# Altium PCB Gould.PcbDoc (part 2 of 2)
Units mm, origin at the board's own origin, x right, y up, seen from the top; angles counter-clockwise.
Board outline 85.5 x 34 mm, 6 copper layers (Top Layer, Plane 1, Plane 2, Plane 3, Plane 4, Bottom Layer), stack 1.545 mm thick; 155 components, 83 nets, 531 pads, 234 vias.
Unrouted connection lines stored in the file: 4.
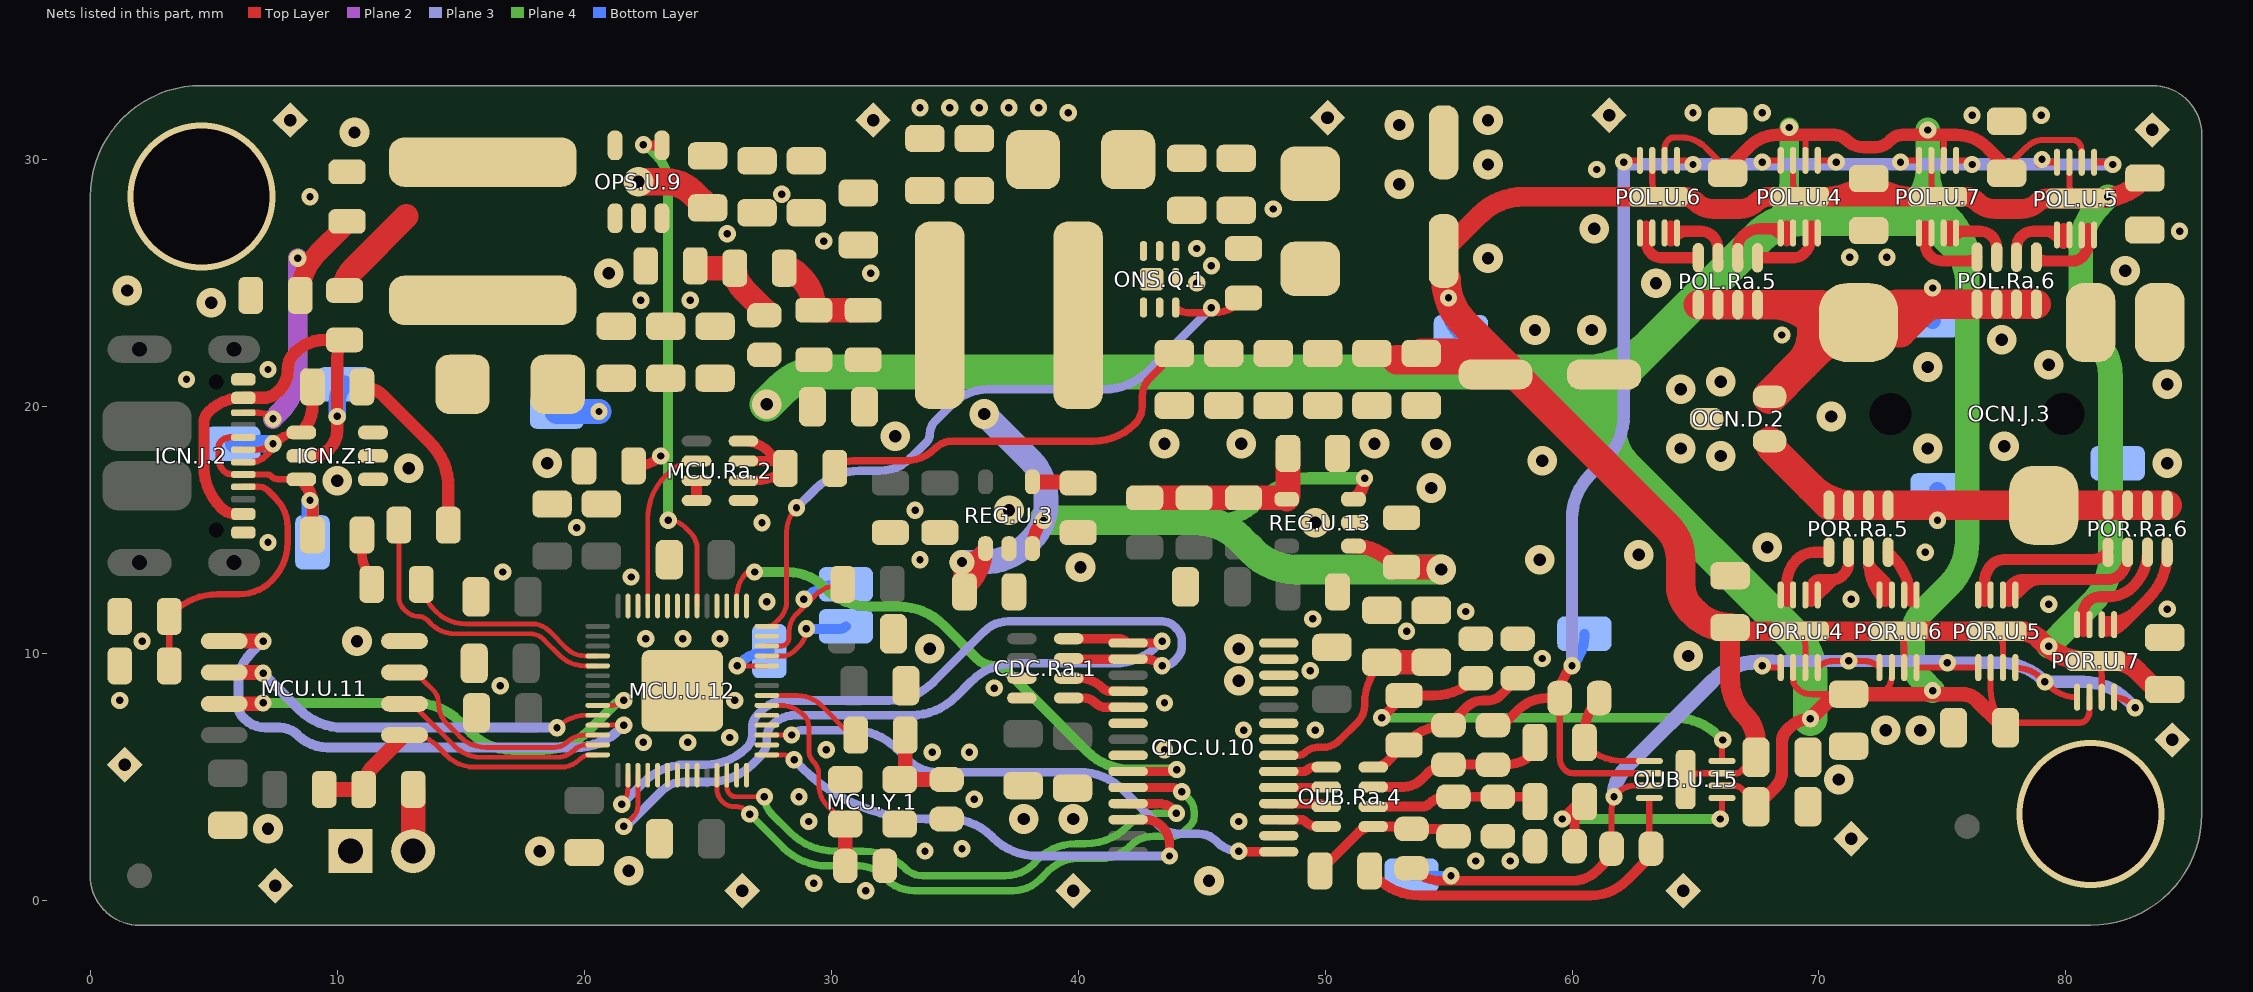
[diagram p6: the nets of this part, all layers, seen from the top]

## Via types
v1: diameter 0.7, hole 0.3, Top Layer to Bottom Layer, tented both sides, 158 vias
v2: diameter 1.2, hole 0.5, Top Layer to Bottom Layer, tented both sides, 61 vias
v3: diameter 1.016, hole 0.508, Top Layer to Bottom Layer, tented both sides, 12 vias
v4: diameter 6, hole 5.5, Top Layer to Bottom Layer, 2 vias
v5: diameter 1, hole 0.4, Top Layer to Bottom Layer, tented both sides, 1 vias

## Nets (pads, with @x,y where several pads share a name; then routed paths per layer and width w, separated by ;. In a path a pad name is that pad's centre, name@x,y a point inside that pad or via, vN(x,y) a via of type N, cw(c..) or ccw(c..) an arc to the next point about the centre after c; other vN are vias at no path point) (continued)
9V: OPS.C.20.2 OPS.C.21.2 OPS.C.22.2 OPS.C.23.2 OPS.C.24.2 OPS.D.5.1 OPS.R.5.2 OPS.R.6.2 OPS.TP.17.1 OUB.C.60.2 OUB.U.15.2 POL.C.26.2 POL.C.27.2 POL.U.4.2 POL.U.5.2 POL.U.6.2 POL.U.7.2 POR.C.26.2 POR.C.27.2 POR.U.4.2 POR.U.5.2 POR.U.6.2 POR.U.7.2 | length 166.5
  Top Layer w0.25: POL.U.6.2@63.75,29.97 63.75,30.438 cw(c64.262,30.438) 63.9,30.8 cw(c64.141,30.559) 64.141,30.9 64.4,30.9 cw(c64.4,29.451) 65.424,30.476 ; 65.424,30.476 66.122,29.778 cw(c65.691,29.348) 66.3,29.348 cw(c67.151,29.348) 66.549,29.949 66.856,30.256 cw(c68.652,28.46) 67.179,30.529 ; OUB.U.15.2@66.07,4.65 66.538,4.65 cw(c66.538,4.138) 66.9,4.5 67.34,4.06 cw(c67.08,3.8) OUB.C.60.2@67.448,3.8 ; POR.U.4.2@68.95,9.43 68.95,8.962 ccw(c69.462,8.962) 69.1,8.6 ccw(c69.698,9.198) 69.698,8.352 POR.C.26.2@71.2,8.352 ; POL.U.4.2@69.45,29.97 69.45,30.961 cw(c69.506,30.961) 69.466,31 ; 72.344,8.352 ccw(c72.344,8.856) 72.7,8.5 ccw(c72.096,9.104) 72.95,9.104 POR.U.6.2@72.95,9.43 ; POL.U.7.2@75.05,29.97 75.05,30.879 cw(c75.221,30.879) 75.1,31 ; POR.U.5.2@76.95,9.43 76.95,8.554 ccw(c79.007,8.554) 77.552,7.1 cw(c77.794,6.859) 77.794,7.2 80.559,7.2 ccw(c80.559,7.541) 80.8,7.3 ccw(c80.438,7.662) 80.95,7.662 POR.U.7.2@80.95,8.23 ; POL.C.27.2@77.708,29.608 ccw(c77.968,29.348) 77.6,29.348 cw(c78.451,29.348) 77.849,29.949 78.4,30.5 cw(c79.124,29.776) 79.124,30.8 80.259,30.8 cw(c80.259,30.459) 80.5,30.7 cw(c80.168,30.368) 80.638,30.368 POL.U.5.2@80.638,29.892
  Top Layer w0.4: 72.812,30.712 72.9,30.8
  Top Layer w0.5: POL.C.26.2@66.3,29.348 cw(c67.03,29.348) 66.514,29.864 67.179,30.529 cw(c68.316,29.393) 68.316,31 69.466,31 70.617,31 cw(c70.617,30.317) 71.1,30.8 ccw(c71.824,31.524) 71.824,30.5 72.3,30.5 ccw(c72.3,31.224) 72.812,30.712 ; OUB.C.60.2@67.448,3.8 68.254,4.607 ccw(c67.661,5.2) 68.5,5.2 68.5,6.417 cw(c69.183,6.417) 68.7,6.9 68.801,7.001 ; 68.801,7.001 cw(c69.655,6.147) v1(69.655,7.355) ; 72.9,30.8 cw(c73.383,30.317) 73.383,31 75.1,31 75.559,31 cw(c75.559,29.21) 76.824,30.476 77.351,29.949 cw(c76.749,29.348) POL.C.27.2@77.6,29.348
  Top Layer w0.6: v1(69.655,7.355) 70.265,7.965 cw(c71.2,7.03) POR.C.26.2@71.2,8.352 72.344,8.352 75.791,8.352 cw(c75.791,7.491) 76.4,8.1 77.292,7.208 ccw(c77.552,7.468) POR.C.27.2@77.552,7.1
  Plane 4 w0.8: 67.556,26.856 68.056,27.356 ccw(c66.26,29.152) 68.8,29.152 v1(68.8,31.3)
  Plane 4 w1: 73.2,27.6 73.868,28.268 ccw(c72.584,29.552) 74.4,29.552 ; 74.259,27.6 75.464,26.395 cw(c74.169,25.1) 76,25.1 ; v1(74.4,31.2) 74.4,29.552 ; v1(74.6,8.5) 74.154,8.946 cw(c75.007,9.8) 73.8,9.8 73.8,10.734 cw(c75.166,10.734) 74.2,11.7 75.256,12.756 ccw(c73.46,14.552) 76,14.552 76,25.1 ; 74.4,29.552 ccw(c76.94,29.552) 75.144,27.756 75.256,27.644 cw(c73.46,25.848) 76,25.848 76,25.1
  Plane 4 w1.4: v2(27.4,20.1) 27.956,20.656 cw(c29.752,18.86) 29.752,21.4 57.248,21.4 ; v1(69.655,7.355) 69.655,8.993 ccw(c67.115,8.993) 68.911,10.789 62.15,17.55 ; 74.5,27.7 cw(c74.259,27.941) 74.259,27.6 73.2,27.6 69.352,27.6 ccw(c69.352,25.06) 67.556,26.856 63.234,22.534 ; 57.248,21.4 cw(c57.248,18.86) 59.044,20.656 61.244,18.456 ; 57.248,21.4 60.5,21.4 ; 60.5,21.4 ccw(c60.5,25.263) 63.229,22.529 ; 60.5,21.4 60.5,20.252 ccw(c63.04,20.252) 61.244,18.456 ; 61.244,18.456 62.15,17.55 ; 62.15,17.55 cw(c63.719,19.119) 61.5,19.119 61.5,20.1 cw(c63.19,20.1) 61.995,21.295 63.229,22.529 ; 63.229,22.529 ccw(c60.5,25.263) 63.234,22.534 ; 63.229,22.529 63.234,22.534
  Bottom Layer w1: OPS.TP.17.1@18.9,19.8 v1(20.6,19.8)
-9V: MCU.R.27.1 ONS.C.10.2 ONS.C.12.1 ONS.C.16.1 ONS.C.17.1 ONS.C.18.1 ONS.C.62.1 ONS.C.63.1 ONS.C.64.2 ONS.D.3.2 ONS.TP.16.1 OUB.C.61.1 OUB.U.15.3 POL.C.30.1 POL.C.31.1 POL.U.4.3 POL.U.5.3 POL.U.6.3 POL.U.7.3 POR.C.30.1 POR.C.31.1 POR.U.4.3 POR.U.5.3 POR.U.6.3 POR.U.7.3 | length 137.7
  Top Layer w0.25: POL.U.6.3@63.25,29.97 63.25,29.104 ccw(c64.104,29.104) POL.U.6.3@63.5,28.5 ; OUB.U.15.3@64.6,4.9 cw(c65.204,4.296) 65.204,5.15 OUB.U.15.3@66.07,5.15 66.679,5.15 ccw(c66.679,5.321) 66.8,5.2 67.366,5.766 cw(c67.448,5.685) OUB.C.61.1@67.448,5.8 ; POL.U.4.3@68.95,29.97 68.95,29.104 ccw(c69.804,29.104) POL.U.4.3@69.2,28.5 ; POR.U.4.3@69.2,10.9 cw(c68.596,10.296) 69.45,10.296 POR.U.4.3@69.45,9.43 ; POR.U.6.3@73.2,10.9 cw(c72.596,10.296) 73.45,10.296 POR.U.6.3@73.45,9.43 ; POL.U.7.3@74.55,29.97 74.55,29.104 ccw(c75.404,29.104) POL.U.7.3@74.8,28.5 ; POR.U.5.3@77.2,10.9 cw(c76.596,10.296) 77.45,10.296 POR.U.5.3@77.45,9.43 ; POL.U.5.3@80.138,29.892 80.138,29.026 ccw(c80.991,29.026) POL.U.5.3@80.387,28.422 ; POR.U.7.3@81.2,9.7 cw(c80.596,9.096) 81.45,9.096 POR.U.7.3@81.45,8.23
  Top Layer w0.3: MCU.R.27.1@30.152,17.5 cw(c30.877,16.776) 30.877,17.8 32.993,17.8 ccw(c32.993,19.507) 34.2,18.3 cw(c34.924,17.576) 34.924,18.6 40.61,18.6 ccw(c40.61,20.99) 42.3,19.3 ccw(c41.576,20.024) 42.6,20.024 42.6,20.4 cw(c43.692,20.4) 42.92,21.172 ONS.C.62.1@43.9,22.152
  Top Layer w0.8: ONS.C.64.2@54.8,26.3 56.256,27.756 cw(c58.052,25.96) 58.052,28.5 POL.U.6.3@63.5,28.5 64.517,28.5 cw(c64.517,27.817) 65,28.3 ccw(c65.724,29.024) 65.724,28 66.776,28 ccw(c66.776,29.024) 67.5,28.3 cw(c67.983,27.817) 67.983,28.5 POL.U.4.3@69.2,28.5 POL.U.4.3@70.249,28.5 ; OUB.C.61.1@67.448,5.8 67.448,6.419 ccw(c65.919,6.419) 67,7.5 cw(c68.449,8.949) 66.4,8.949 POR.C.31.1@66.4,11.048 ccw(c66.756,11.404) 66.756,10.9 POR.U.4.3@69.2,10.9 POR.U.6.3@73.2,10.9 POR.U.5.3@77.2,10.9 78.176,10.9 cw(c78.176,9.876) 78.9,10.6 79.056,10.444 ccw(c80.852,12.24) 80.852,9.7 POR.U.7.3@81.2,9.7 81.934,9.7 cw(c81.934,8.334) 82.9,9.3 83.407,8.793 ccw(c84,9.387) POR.C.30.1@84,8.548 ; POL.C.30.1@83.2,29.252 83.114,29.166 cw(c81.318,30.962) 81.318,28.422 POL.U.5.3@80.387,28.422 79.195,28.422 ccw(c79.195,28.005) 78.9,28.3 cw(c78.176,29.024) 78.176,28 77.124,28 cw(c77.124,29.024) 76.4,28.3 ccw(c75.917,27.817) 75.917,28.5 POL.U.7.3@74.8,28.5 POL.U.7.3@73.776,28.5 ; POL.U.4.3@70.249,28.5 ccw(c70.249,30.993) POL.C.31.1@72.012,29.23 ccw(c73.776,30.993) POL.U.7.3@73.776,28.5 ; POL.U.4.3@70.249,28.5 POL.U.7.3@73.776,28.5
  Top Layer w1.2: 52.9,21.9 55.451,21.9 cw(c55.451,19.851) ONS.C.10.2@56.9,21.3 ; ONS.C.16.1@53.9,22.152 55.795,22.152 cw(c55.795,19.612) ONS.C.10.2@57.592,21.408 ; ONS.C.64.2@54.9,25.152 ccw(c57.44,25.152) 55.644,23.356 ONS.C.10.2@57.592,21.408 ; POR.C.31.1@66.4,11.048 cw(c66.4,13.094) 64.953,11.647 64.8,11.8 cw(c65.766,12.766) 64.4,12.766 64.4,13.8 ccw(c62.469,13.8) 63.834,15.166 ONS.C.10.2@57.592,21.408
  Plane 4 w1: v1(79.3,10.3) 80.234,11.234 ; 80.235,11.235 81.056,12.056 ccw(c79.26,13.852) 81.8,13.852 81.8,21.251 ccw(c79.751,21.251) 81.2,22.7 cw(c82.649,24.149) 80.6,24.149 80.6,26.348 cw(c83.14,26.348) 81.344,28.144 v1(81.7,28.5)
  Bottom Layer w0.7: v1(55,24.4) 55,24.207 ccw(c56.707,24.207) ONS.TP.16.1@55.5,23
GND: CDC.C.25.1 CDC.C.35.1 CDC.C.36.1 CDC.C.37.1 CDC.C.38.2 CDC.C.39.2 CDC.Ra.1.7 CDC.Ra.1.8 CDC.U.10.6 CDC.U.10.8 CDC.U.10.16 CDC.U.10.22 CDC.U.10.23 CDC.U.10.25 CDC.U.10.26 CDC.U.10.27 CDC.U.10.28 ICN.J.2.1 ICN.J.2.12 ICN.R.14.1 ICN.R.15.1 ICN.R.16.1 ICN.R.17.1 ICN.Z.1.1 ICN.Z.1.2 ICN.Z.1.3 MCH.SP.1.1 MCH.SP.2.1 MCH.SP.3.1 MCH.SP.4.1 MCH.SP.5.1 MCH.SP.6.1 MCH.SP.7.1 MCH.SP.8.1 MCH.SP.9.1 MCH.SP.10.1 MCH.SP.11.1 MCH.SP.12.1 MCU.C.40.1 MCU.C.41.1 MCU.C.42.1 MCU.C.43.1 MCU.C.44.1 MCU.C.45.1 MCU.C.47.1 MCU.C.48.1 MCU.C.49.2 MCU.C.50.1 MCU.C.51.1 MCU.C.52.1 MCU.C.53.1 MCU.J.4.1 MCU.Ra.2.5 MCU.U.11.4 MCU.U.12.4 MCU.U.12.5 MCU.U.12.6 MCU.U.12.7 MCU.U.12.8 MCU.U.12.9 MCU.U.12.13 MCU.U.12.14 MCU.U.12.16 MCU.U.12.18 MCU.U.12.19 MCU.U.12.27 MCU.U.12.29 MCU.U.12.31 MCU.U.12.32 MCU.U.12.35 MCU.U.12.36 MCU.U.12.37 MCU.U.12.38 MCU.U.12.40 MCU.U.12.41 MCU.U.12.57 MCU.Y.1.2 MCU.Y.1.4 OCN.D.2.3 OCN.J.3.1 OCN.J.3.4 OCN.TP.13.1 ONS.C.8.1 ONS.C.10.1 ONS.C.11.1 ONS.C.12.2 ONS.C.16.2 ONS.C.17.2 ONS.C.18.2 ONS.C.62.2 ONS.C.63.2 ONS.C.64.1 ONS.D.4.1 ONS.Q.1.S ONS.R.29.1 OPS.C.13.1 OPS.C.14.1 OPS.C.19.1 OPS.C.20.1 OPS.C.21.1 OPS.C.22.1 OPS.C.23.1 OPS.C.34.1 OPS.R.1.1 OPS.R.8.1 OPS.U.9.2 OUB.C.1.2 OUB.C.4.2 OUB.C.60.1 OUB.C.61.2 OUB.R.2.1 OUB.R.24.1 POL.C.26.1 POL.C.27.1 POL.C.30.2 POL.C.31.2 POR.C.26.1 POR.C.27.1 POR.C.30.2 POR.C.31.2 REG.C.15.1 REG.C.54.1 REG.C.55.1 REG.C.56.1 REG.C.57.1 REG.C.58.1 REG.R.22.1 REG.U.3.2 REG.U.13.2 | length 3.2
  Top Layer w1.1: v2(22.2,29.1) 23.3,29.1 cw(c23.3,27.537) 24.406,28.642 OPS.C.14.1@25,28.048
  other v1: 31.4,0.4 29.3,0.7 56.1,1.6 57.5,1.6 33.8,2 35.3,2.1 29.1,3.2 46.5,3.2 35.8,4.1 28.7,4.2 34.1,6 35.6,6 29.8,6.1 43.5,6.1 22.4,6.4 24.2,6.4 25.9,6.6 46.7,6.9 49.6,6.9 43.5,8 1.2,8.1 26.1,8.1 36.6,8.6 16.6,8.7 49.4,9.3 58.8,9.8 2.1,10.5 22.5,10.6 24,10.6 25.5,10.6 53.3,10.9 49.5,11.4 55.7,11.7 84.1,11.8 79.3,12 27.4,12.1 71.3,12.2 21.9,13.1 16.7,13.3 33.6,13.8 74.3,14.1 7.2,14.5 19.7,15.1 27.2,15.3 33.4,15.8 3.9,21.1 7.2,21.5 68.499,22.897 22.3,24.3 24.3,24.3 44.8,25 31.6,25.4 45.4,25.7 71.25,26.045 72.75,26.045 44.8,26.4 29.7,26.7 25.8,27 84.6,27.1 47.9,28 8.9,28.5 28,28.6 61,29.6 76.2,31.8 79,31.8 39.6,31.9 64.9,31.9 67.7,31.9 33.6,32.1 34.8,32.1 36,32.1 37.2,32.1 38.4,32.1
  other v2: 45.3,0.8 21.8,1.2 18.2,2 7.2,2.9 37.8,3.3 39.8,3.3 70.8,4.9 72.7,6.9 74.1,6.9 46.5,8.9 64.7,9.9 34,10.2 46.5,10.2 10.8,10.5 40.1,13.5 58.7,13.8 62.7,14 67.9,14.3 49.6,15.3 37.2,15.8 54.3,16.7 10,17 12.9,17.5 18.5,17.7 84.1,17.7 58.8,17.8 66.025,18 64.4,18.3 74.4,18.3 77.5,18.4 43.5,18.5 46.6,18.5 52,18.5 54.5,18.5 32.6,18.8 70.5,19.6 64.4,20.7 84.1,20.9 66.025,21 74.4,21.6 79.3,21.7 77.4,22.7 58.5,23.1 60.8,23.1 4.9,24.2 1.5,24.7 63.4,25 21,25.4 82.4,25.5 56.6,26 60.9,27.2 53,29 56.6,29.8 10.7,31.1 53,31.4 56.6,31.6
  other v3: 26.4,0.4 39.8,0.4 64.5,0.4 7.5,0.6 71.3,2.5 1.4,5.5 84.3,6.5 83.5,31.2 8.1,31.6 31.7,31.6 50.1,31.7 61.5,31.8
  other v4: 81,3.5 4.5,28.5
NetCDC.C.38_1: CDC.C.38.1 CDC.C.39.1 CDC.U.10.21 | length 8.4
  Top Layer w0.3: CDC.U.10.21@48.125,5.875 48.898,5.875 ccw(c48.898,6.302) 49.2,6 cw(c49.683,5.517) 49.683,6.2 49.9,6.2 ccw(c49.9,7.166) 50.583,6.483 51.317,7.217 ccw(c50.634,7.9) 51.6,7.9 51.6,7.958 cw(c53.99,7.958) CDC.C.38.1@52.3,9.648
  Top Layer w1: CDC.C.38.1@52.3,9.648 CDC.C.39.1@54.3,9.648
NetCDC.Ra.1_1: CDC.Ra.1.1 CDC.U.10.5 | length 2.5
  Top Layer w0.38: CDC.Ra.1.1@39.625,8.2 40.217,8.2 cw(c40.217,7.517) 40.7,8 ccw(c41.122,8.422) 41.122,7.825 CDC.U.10.5@42.025,7.825
NetCDC.Ra.1_2: CDC.Ra.1.2 CDC.U.10.4 | length 2.5
  Top Layer w0.38: CDC.Ra.1.2@39.625,9 40.034,9 cw(c40.034,7.634) 41,8.6 ccw(c41.302,8.902) 41.302,8.475 CDC.U.10.4@42.025,8.475
NetCDC.Ra.1_3: CDC.Ra.1.3 CDC.U.10.2 MCU.U.12.2 | length 32.8
  Top Layer w0.2: v1(21.525,3.9) 21.5,3.9 ccw(c20.836,4.564) 21.775,4.564 MCU.U.12.2@21.775,5.075
  Top Layer w0.38: CDC.Ra.1.3@39.625,9.8 ccw(c39.685,9.86) 39.685,9.775 CDC.U.10.2@42.025,9.775 42.736,9.775 cw(c42.736,8.836) v1(43.4,9.5)
  Plane 3 w0.35: v1(21.525,3.9) 22.436,4.811 cw(c24.1,3.146) 24.1,5.5 24.91,5.5 ccw(c24.91,7.89) 26.6,6.2 ccw(c26.117,6.683) 26.8,6.683 26.8,6.979 cw(c27.574,6.979) 27.027,7.527 27.2,7.7 cw(c28.166,6.734) 28.166,8.1 32.348,8.1 ccw(c32.348,10.64) 34.144,8.844 36.188,10.888 cw(c37.183,9.893) 37.183,11.3 42.841,11.3 43.4,11.3 cw(c43.4,10.576) 43.912,11.088 44,11 cw(c43.517,10.517) 44.2,10.517 44.2,10.3 cw(c43.476,10.3) 43.988,9.788 43.9,9.7 cw(c43.417,10.183) 43.417,9.5 v1(43.4,9.5)
NetCDC.Ra.1_4: CDC.Ra.1.4 CDC.U.10.1 MCU.U.12.3 | length 30.9
  Top Layer w0.2: v1(21.6,3) 22,3.4 ccw(c21.578,3.822) 22.175,3.822 MCU.U.12.3@22.175,5.075
  Top Layer w0.38: CDC.Ra.1.4@39.625,10.6 41.603,10.6 cw(c41.603,10.003) CDC.U.10.1@42.025,10.425 43.219,10.425 ccw(c43.219,10.681) v1(43.4,10.5)
  Plane 3 w0.35: v1(21.6,3) ccw(c21.6,3.241) 21.771,3.071 23.146,4.446 cw(c24,3.593) 24,4.8 25.048,4.8 ccw(c25.048,7.34) 26.844,5.544 27.117,5.817 ccw(c26.434,6.5) 27.4,6.5 27.4,6.617 cw(c28.083,6.617) 27.6,7.1 cw(c28.566,6.134) 28.566,7.5 33.248,7.5 ccw(c33.248,10.04) 35.044,8.244 35.656,8.856 cw(c37.452,7.06) 37.452,9.6 41.448,9.6 ccw(c41.448,12.14) 43.244,10.344 v1(43.4,10.5)
NetCDC.U.10_9: CDC.U.10.9 MCU.U.12.30 | length 23.7
  Top Layer w0.2: MCU.U.12.30@26.175,11.925 26.175,12.325 cw(c26.575,12.325) 26.178,12.377 ccw(c25.98,12.402) 26.179,12.386 cw(c27.626,12.274) 26.537,13.233 cw(c26.686,13.1) 26.685,13.3 v1(26.9,13.3)
  Top Layer w0.38: CDC.U.10.9@42.025,5.225 43.819,5.225 ccw(c43.819,5.481) v1(44,5.3)
  Plane 4 w0.4: v1(26.9,13.3) 28.251,13.3 cw(c28.251,11.251) 29.7,12.7 29.756,12.644 ccw(c31.552,14.44) 31.552,11.9 32.748,11.9 cw(c32.748,9.36) 34.544,11.156 35.917,9.783 ccw(c36.6,10.466) 36.6,9.5 cw(c36.6,8.776) 37.112,9.288 40.356,6.044 ccw(c42.152,7.84) 42.152,5.3 v1(44,5.3)
NetCDC.U.10_10: CDC.U.10.10 MCU.U.12.11 | length 26
  Top Layer w0.2: MCU.U.12.11@25.375,5.075 25.375,4.543 ccw(c26.143,4.543) 25.6,4 ccw(c26.083,4.483) 26.083,3.8 26.2,3.8 cw(c26.2,3.317) 26.541,3.659 v1(26.7,3.5)
  Top Layer w0.38: CDC.U.10.10@42.025,4.575 43.778,4.575 cw(c43.778,3.978) v1(44.2,4.4)
  Plane 4 w0.3: v1(26.7,3.5) 28.056,2.144 ccw(c29.852,3.94) 29.852,1.4 ; 29.967,1.4 29.852,1.4 ; v1(44.2,4.4) 44.488,4.112 cw(c43.976,3.6) 44.7,3.6 44.7,3.4 cw(c44.217,3.4) 44.559,3.059 44.3,2.8 cw(c43.817,3.283) 43.817,2.6 43.066,2.6 ccw(c43.066,1.234) 42.1,2.2 cw(c40.893,3.407) 40.893,1.7 40.007,1.7 ccw(c40.007,-0.007) 38.8,1.2 38.444,0.844 cw(c37.372,1.916) 37.372,0.4 33.365,0.4 cw(c33.365,2.034) 32.1,1 ccw(c31.134,0.034) 31.134,1.4 29.852,1.4
NetCDC.U.10_11: CDC.U.10.11 MCU.U.12.12 | length 23
  Top Layer w0.2: MCU.U.12.12@25.775,5.075 25.775,4.602 ccw(c26.202,4.602) 25.9,4.3 ccw(c26.141,4.541) 26.141,4.2 v1(27.3,4.2)
  Top Layer w0.38: CDC.U.10.11@42.025,3.925 43.215,3.925 cw(c43.215,2.815) 44,3.6 v1(43.982,3.527)
  Plane 4 w0.3: v1(27.3,4.2) ccw(c28.266,4.2) 27.583,3.517 28.356,2.744 ccw(c30.152,4.54) 30.152,2 31.31,2 cw(c31.31,-0.39) 33,1.3 ccw(c33.724,2.024) 33.724,1 37.058,1 ccw(c37.058,2.606) 38.346,1.646 cw(c39.924,0.069) 39.924,2.3 ; 39.925,2.3 40.3,2.3 ccw(c40.3,4.714) 42.007,3.007 42.1,3.1 cw(c43.131,2.069) 43.131,3.527 v1(43.982,3.527)
NetCDC.U.10_12: CDC.U.10.12 MCU.U.12.15 | length 20.2
  Top Layer w0.2: MCU.U.12.15@27.4,5.9 28.017,5.9 cw(c28.017,5.217) v1(28.5,5.7)
  Top Layer w0.38: CDC.U.10.12@42.025,3.275 42.733,3.275 cw(c42.733,2.328) 43.402,2.998 cw(c42.684,2.279) 43.7,2.279 v1(43.7,1.8) v1@43.68,1.82
  Plane 3 w0.35: v1(28.5,5.7) 28.825,5.375 ccw(c33.831,10.377) 33.831,3.3 33.833,3.3 34.81,3.3 cw(c34.81,0.91) 36.5,2.6 36.556,2.544 ccw(c38.352,4.34) 38.352,1.8 v1(43.7,1.8)
NetCDC.U.10_15: CDC.U.10.15 MCU.U.12.17 | length 22.4
  Top Layer w0.2: MCU.U.12.17@27.4,6.7 v1(28.4,6.7)
  Top Layer w0.38: v1(46.5,1.999) ccw(c46.56,2.06) 46.56,1.975 CDC.U.10.15@48.125,1.975
  Plane 3 w0.35: v1(28.4,6.7) cw(c28.883,6.217) 28.883,6.9 30.848,6.9 cw(c30.848,4.36) 32.644,6.156 33.1,5.7 ccw(c34.307,6.907) 34.307,5.2 40.048,5.2 cw(c40.048,2.66) 41.844,4.456 43.246,3.054 ccw(c44.1,3.907) 44.1,2.7 44.876,2.7 cw(c44.876,1.676) 45.6,2.4 45.648,2.352 ccw(c46.5,3.205) v1(46.5,1.999)
NetCDC.U.10_17: CDC.U.10.17 OUB.Ra.4.4 | length 2
  Top Layer w0.38: CDC.U.10.17@48.125,3.275 49.019,3.275 cw(c49.019,3.019) 49.2,3.2 ccw(c49.683,3.683) 49.683,3 OUB.Ra.4.4@50.05,3
NetCDC.U.10_18: CDC.U.10.18 OUB.Ra.4.3 | length 2
  Top Layer w0.38: CDC.U.10.18@48.125,3.925 49.748,3.925 cw(c49.748,3.498) OUB.Ra.4.3@50.05,3.8
NetCDC.U.10_19: CDC.U.10.19 OUB.Ra.4.2 | length 1.9
  Top Layer w0.38: CDC.U.10.19@48.125,4.575 49.99,4.575 ccw(c49.99,4.66) OUB.Ra.4.2@50.05,4.6
NetCDC.U.10_20: CDC.U.10.20 OUB.Ra.4.1 | length 2
  Top Layer w0.38: CDC.U.10.20@48.125,5.225 49.119,5.225 ccw(c49.119,5.481) 49.3,5.3 cw(c49.541,5.059) 49.541,5.4 OUB.Ra.4.1@50.05,5.4
NetICN.FB.3_1: ICN.FB.3.1 ICN.J.2.2 ICN.J.2.11 ICN.TP.12.1 ICN.Z.1.5 | length 19.2
  Top Layer w0.45: ICN.J.2.11@6.2,15.65 5.904,15.65 cw(c5.904,16.504) 5.3,15.9 cw(c6.99,17.59) 4.6,17.59 4.6,19.317 cw(c5.283,19.317) 4.8,19.8 cw(c6.128,18.472) 5.614,20.278 ccw(c5.489,20.711) 5.63,20.283 cw(c5.794,19.791) 5.705,20.302 ccw(c5.626,20.745) 5.721,20.305 cw(c6.128,18.472) 5.925,20.339 6.128,20.35 ICN.J.2.2@6.2,20.35
  Top Layer w0.5: ICN.J.2.2@6.2,20.35 6.996,20.35 ccw(c6.996,21.204) 7.6,20.6 7.646,20.646 ccw(c6.793,21.5) 8,21.5 cw(c8.966,21.5) 8.283,22.183 8.3,22.2 cw(c9.501,20.999) 9.501,22.698 ICN.FB.3.1@10.3,22.698 ccw(c11.024,21.973) 10,21.973 v1(10,19.6) 10,19.024 cw(c8.976,19.024) 9.7,18.3 cw(c8.976,19.024) 8.976,18 ICN.Z.1.5@8.55,18
  Bottom Layer w0.7: v1(10,19.6) 10,20.176 cw(c11.024,20.176) ICN.TP.12.1@10.3,20.9
NetICN.FB.3_2: ICN.FB.3.2 ONS.C.8.2 ONS.C.11.2 ONS.L.2.1 OPS.C.13.2 OPS.C.14.2 OPS.C.19.2 OPS.C.34.2 OPS.L.1.1 OPS.U.9.5 REG.C.54.2 REG.C.57.2 REG.U.3.1 REG.U.3.3 REG.U.13.1 REG.U.13.3 | length 50
  Top Layer w0.25: REG.U.13.1@51.15,14.35 REG.U.13.1@51.196,14.35 ; REG.U.13.3@51.15,16.25 REG.U.13.3@51.196,16.25
  Top Layer w0.4: REG.C.54.2@35.398,12.5 ccw(c35.875,12.5) REG.C.54.2@35.537,12.163 ; REG.U.3.3@38.15,14.25 REG.U.3.3@38.205,14.195
  Top Layer w0.5: REG.U.3.3@38.15,14.25 38.15,14.314 cw(c39.686,14.314) v1(38.6,15.4) ; REG.U.13.3@51.15,16.25 51.317,16.417 ccw(c50.634,17.1) v1(51.6,17.1)
  Top Layer w0.6: v5(35.3,13.7) ccw(c35.3,14.666) 35.983,13.983 REG.U.3.1@36.032,14.032 ; REG.U.13.1@51.15,14.35 cw(c51.15,12.183) 52.682,13.715 REG.C.57.2@52.9,13.498 ; REG.U.3.1@36.032,14.032 ccw(c37.565,12.5) REG.C.54.2@35.398,12.5 35.615,12.718 ccw(c34.083,14.25) REG.U.3.1@36.25,14.25 REG.U.3.1@36.032,14.032
  Top Layer w0.7: v5(35.3,13.7) 35.3,12.736 ccw(c35.633,12.736) REG.C.54.2@35.398,12.5
  Top Layer w1: ICN.FB.3.2@10.3,24.702 cw(c11.501,24.702) 10.652,25.552 12.8,27.7 ; REG.C.57.2@52.9,13.498 54.567,13.498 54.665,13.4 v2(54.7,13.4)
  Plane 4 w0.5: 44.748,15.4 45.61,15.4 ccw(c45.61,17.79) 47.3,16.1 47.556,16.356 cw(c49.352,14.56) 49.352,17.1 v1(51.6,17.1)
  Plane 4 w1.2: v1(38.6,15.4) 44.748,15.4 cw(c44.748,12.86) 46.544,14.656 47.056,14.144 ccw(c48.852,15.94) 48.852,13.4 51.348,13.4 v2(54.7,13.4)
  Plane 3 w1: v5(35.3,13.7) 36.148,13.7 ccw(c36.148,16.24) 37.944,14.444 38.1,14.6 ccw(c36.651,16.049) 38.7,16.049 38.7,16.3 ccw(c36.527,16.3) 38.064,17.836 v2(36.2,19.7)
NetICN.FB.4_1: ICN.FB.4.1 ICN.J.2.5 ICN.J.2.8 ICN.TP.3.1 ICN.Z.1.6 | length 9.2
  Top Layer w0.26: ICN.J.2.5@6.2,18.75 5.662,18.75 ccw(c5.662,18.238) 5.3,18.6 ccw(c5.541,18.359) 5.2,18.359 5.2,17.883 ccw(c5.883,17.883) 5.4,17.4 ccw(c5.762,17.762) 5.762,17.25 ICN.J.2.8@6.2,17.25 7.179,17.25 cw(c7.179,17.079) 7.3,17.2 ccw(c7.662,17.562) 7.662,17.05 ICN.Z.1.6@8.55,17.05
  Top Layer w0.5: ICN.Z.1.6@8.55,17.05 cw(c7.469,15.969) 8.998,15.969 ICN.FB.4.1@8.998,15.2
  Bottom Layer w0.7: v1(8.9,16.2) 8.9,14.741 ccw(c9.241,14.741) ICN.TP.3.1@9,14.5
NetICN.FB.4_2: ICN.FB.4.2 MCU.R.12.2 | length 2.2
  Top Layer w0.4: ICN.FB.4.2@11.002,15.2 11.002,14.054 ccw(c12.352,14.054) MCU.R.12.2@11.398,13.1
NetICN.FB.5_1: ICN.FB.5.1 ICN.J.2.6 ICN.J.2.7 ICN.TP.1.1 ICN.Z.1.4 | length 8.9
  Top Layer w0.26: ICN.J.2.7@6.2,17.75 6.496,17.75 ccw(c6.496,18.604) 7.1,18 7.696,18.596 cw(c8.55,17.743) ICN.Z.1.4@8.55,18.95 8.386,18.95 ccw(c8.386,17.414) 7.3,18.5 cw(c6.696,19.104) 6.696,18.25 ICN.J.2.6@6.2,18.25
  Top Layer w0.5: ICN.Z.1.4@8.55,18.95 ccw(c7.469,20.031) 8.998,20.031 ICN.FB.5.1@8.998,20.8
  Bottom Layer w0.7: ICN.TP.1.1@5.8,18.5 v1(7.4,18.5)
NetICN.FB.5_2: ICN.FB.5.2 MCU.R.11.2 | length 7.6
  Top Layer w0.5: ICN.FB.5.2@11.002,20.8 cw(c11.002,19.599) 11.852,20.448 13.758,18.542 cw(c11.962,16.745) 14.502,16.745 MCU.R.11.2@14.502,15.2 MCU.R.11.2@14.502,14.75
NetICN.J.2_3: ICN.J.2.3 ICN.R.16.2 ICN.R.17.2 | length 11.7
  Top Layer w0.26: ICN.J.2.3@6.2,19.75 6.796,19.75 cw(c6.796,18.896) v1(7.4,19.5)
  Top Layer w0.8: ICN.R.16.2@8.502,24.5 cw(c10.922,24.5) 9.211,26.211 10.331,27.331 ccw(c10.164,27.498) ICN.R.17.2@10.4,27.498
  Plane 2 w0.8: v1(7.4,19.5) 7.656,19.756 ccw(c5.86,21.552) 8.4,21.552 v1(8.4,26)
NetICN.J.2_9: ICN.J.2.9 ICN.R.14.2 ICN.R.15.2 | length 11.7
  Top Layer w0.26: ICN.R.14.2@3.202,9.5 ICN.R.15.2@3.202,11.5 3.358,11.656 cw(c5.155,9.86) 5.155,12.4 6.027,12.4 ccw(c6.029,14.262) 7.346,12.946 ccw(c5.769,14.524) 8,14.524 8,15.1 ccw(c6.31,15.1) 7.505,16.295 7.2,16.6 ccw(c6.838,16.238) 6.838,16.75 ICN.J.2.9@6.2,16.75